# Altium PCB CW521_BallisticGel.PcbDoc (part 1 of 3)
Units mil, origin at the board's own origin, x right, y up, seen from the top; angles counter-clockwise.
Board outline 4645.67 x 3070.87 mil, 2 copper layers (Top Layer, Bottom Layer), stack 59.8 mil thick; 102 components, 83 nets, 501 pads, 442 vias.
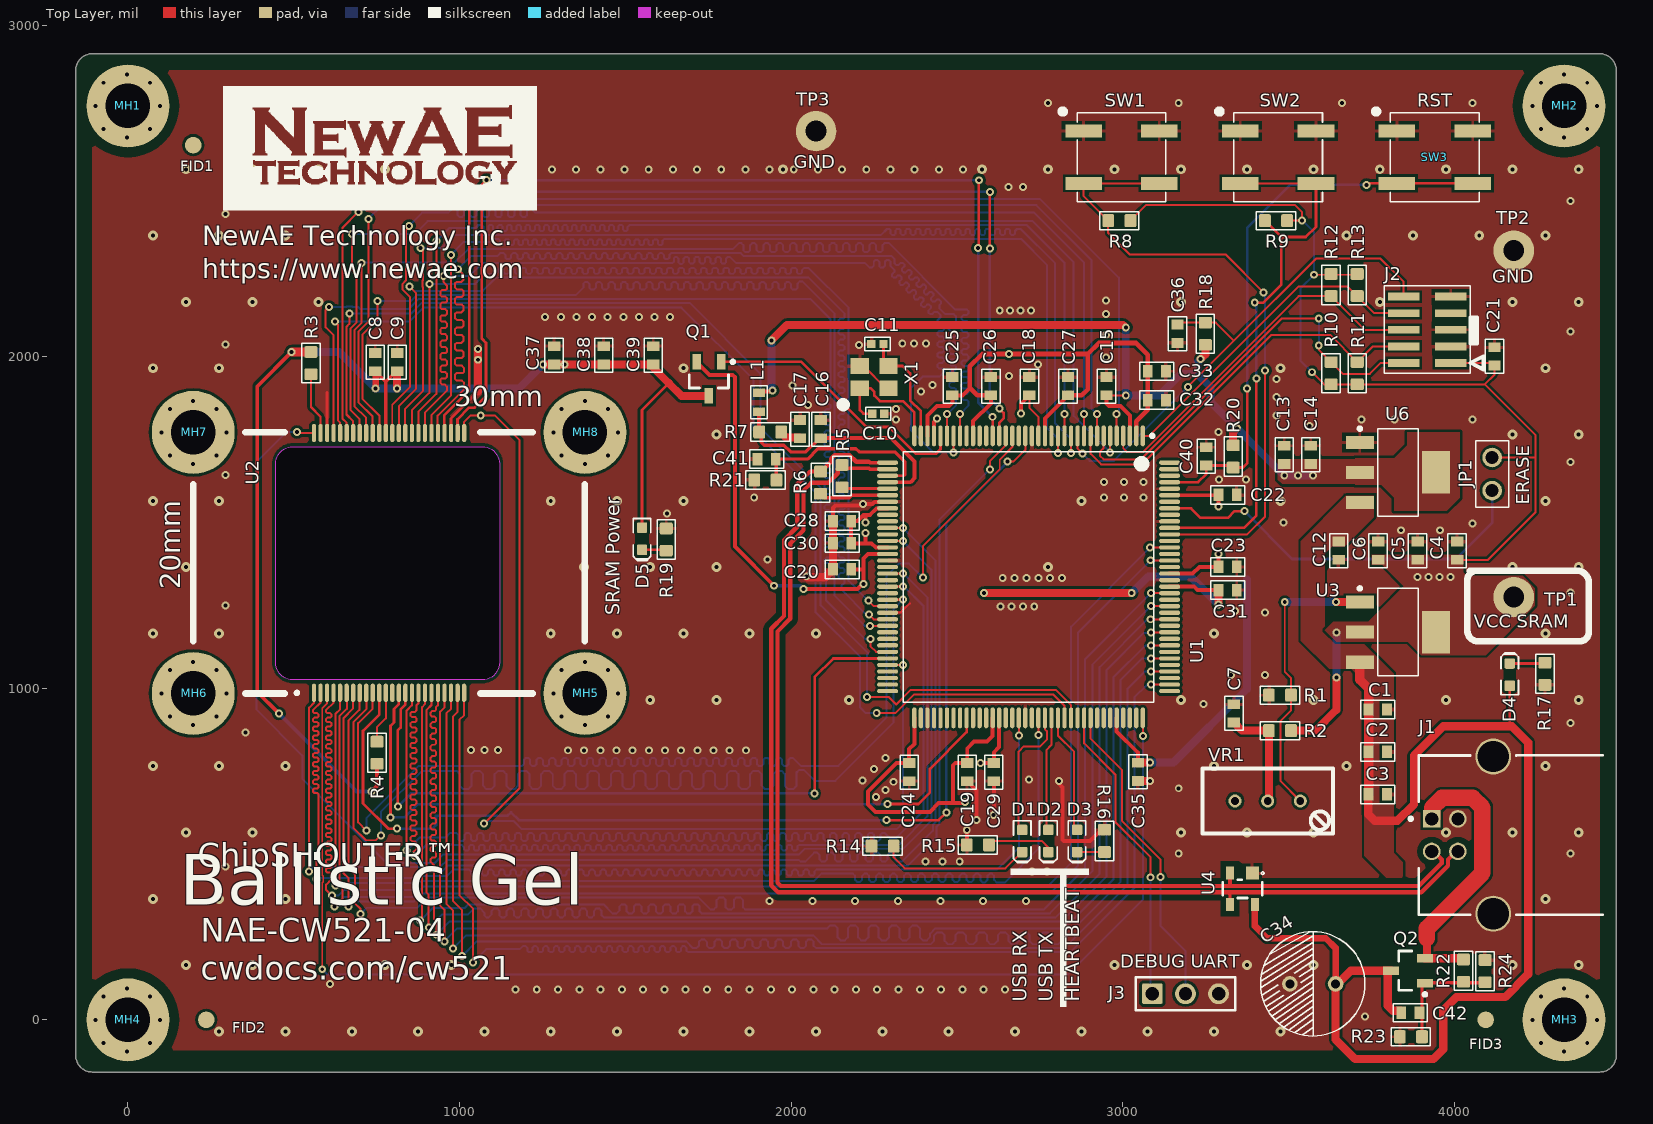
[diagram p0: Top Layer view]
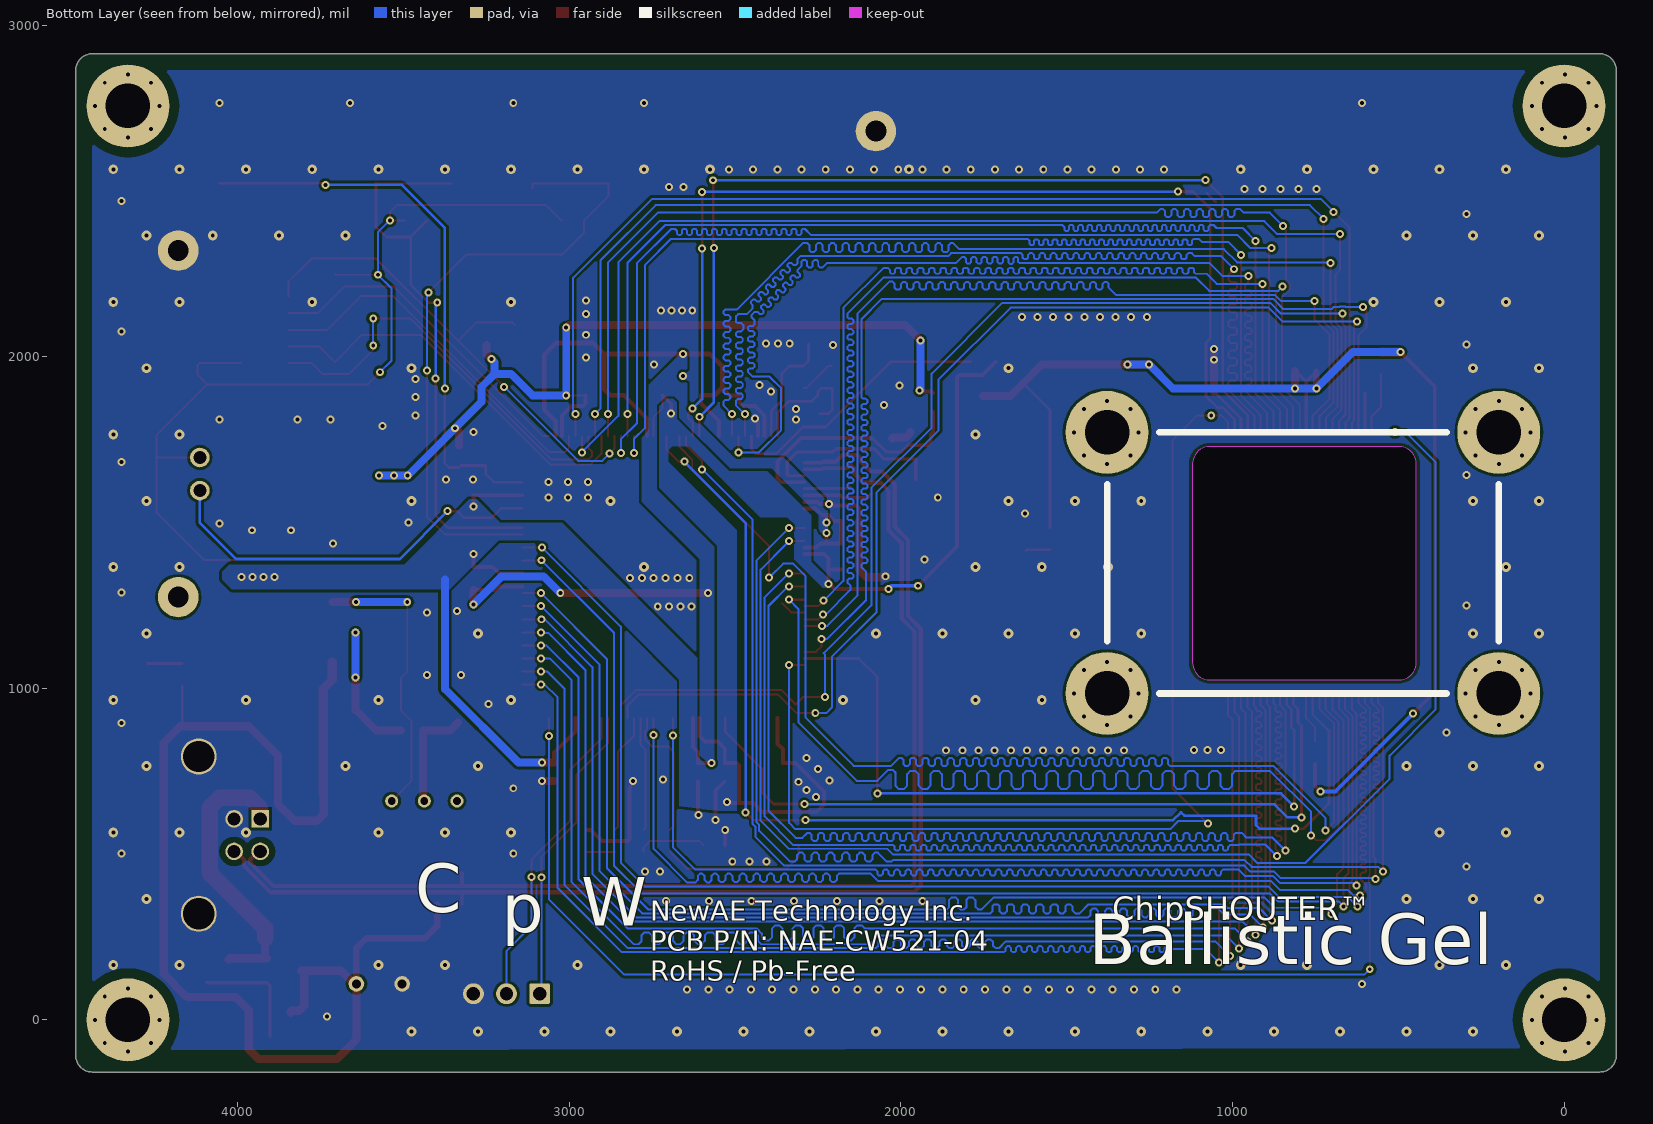
[diagram p1: Bottom Layer view, seen from below]
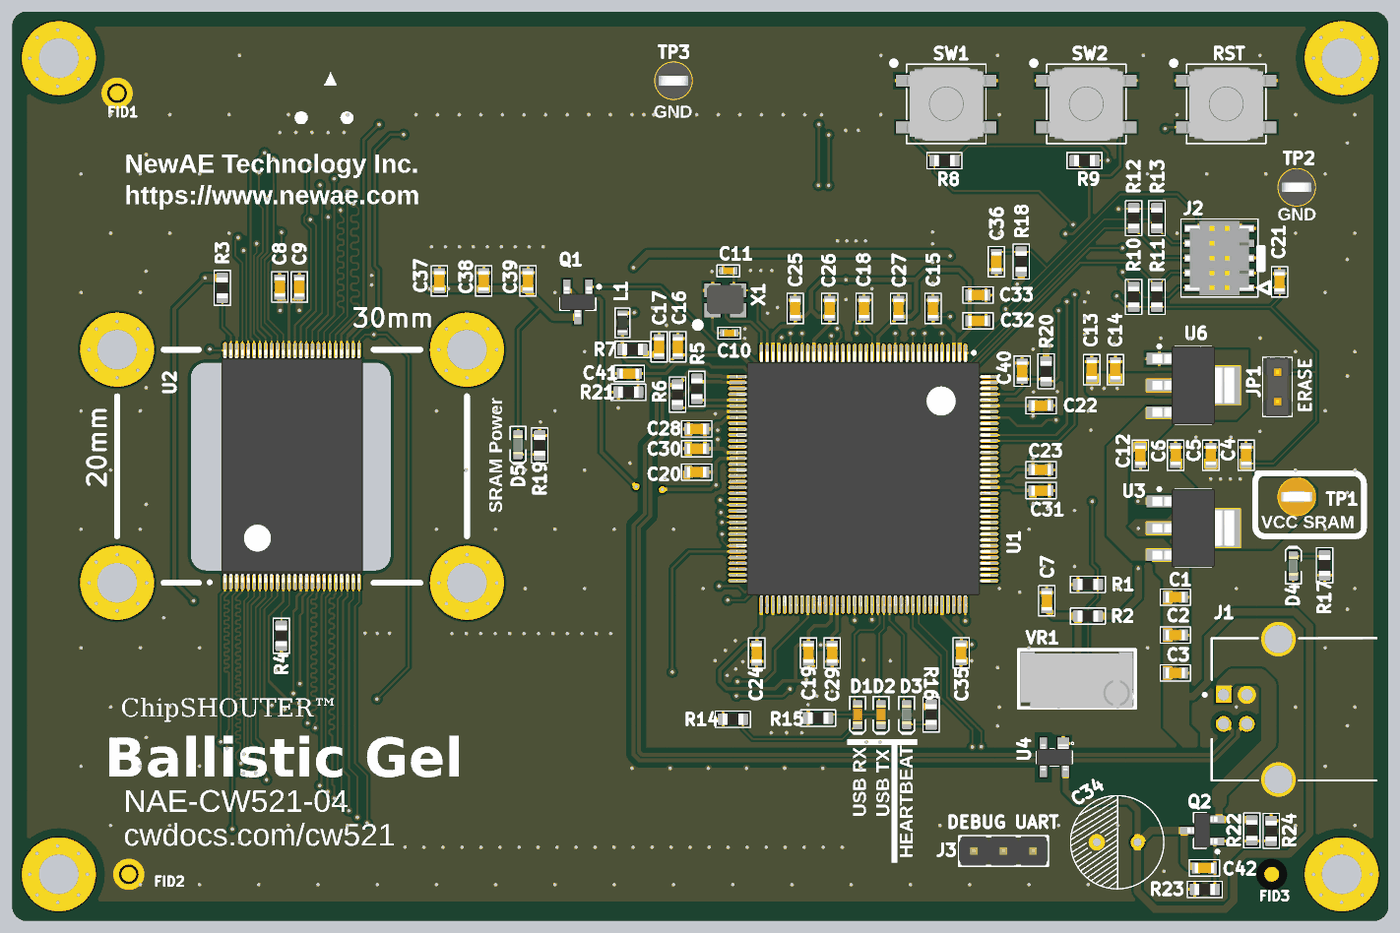
[diagram p4: 3D render of the assembled board from above, using the file's embedded part models]

## Layer stack, top to bottom
Top Solder: solder mask 0.4, Solder Resist, Dk 3.5
Top Layer: signal copper 1.4
Dielectric 1: dielectric 57, FR-4, Dk 4.2
Bottom Layer: signal copper 1.4
Bottom Solder: solder mask 0.4, Solder Resist, Dk 3.5

## Board outline
-157.48,-107.48 -157.48,2863.39 cw(c-107.48,2863.39) -107.48,2913.39 4438.19,2913.39 cw(c4438.19,2863.39) 4488.19,2863.39 4488.19,-107.48 cw(c4438.19,-107.48) 4438.19,-157.48 -107.48,-157.48 cw(c-107.48,-107.48)
cut-out: 445.53,1077.58 445.53,1676.58 cw(c497.51,1676.58) 497.51,1728.57 1068.51,1728.57 cw(c1068.51,1676.58) 1120.5,1676.58 1120.5,1077.58 cw(c1068.51,1077.58) 1068.51,1025.6 497.51,1025.6 cw(c497.51,1077.58)

## Design rules (kind name [scope] priority, off if disabled: settings)
BoardOutlineClearance BoardOutlineClearance_Copper [(IsPoly AND OnLayer('Top Layer'))] p1: gap=50 ignorepadtopadclearanceinfootprint=FALSE
BoardOutlineClearance BoardOutlineClearance_Copper_1 [(IsPoly AND OnLayer('Bottom Layer'))] p2: gap=50 ignorepadtopadclearanceinfootprint=FALSE
BoardOutlineClearance [All] p3: gap=10 ignorepadtopadclearanceinfootprint=FALSE
Clearance PolyDiffUSB [InNet('USBD_N') or InNet('USBD_P') vs IsRegion] p1: gap=17.72 ignorepadtopadclearanceinfootprint=FALSE
Clearance Pad-Pad [IsPad vs IsPad] p2: gap=6 ignorepadtopadclearanceinfootprint=FALSE
Clearance Poly_clear_MH [IsRegion vs (InComponent('MH1') OR InComponent('MH2') OR InComponent('MH3') OR InComponent('MH4'))] p3: gap=30 ignorepadtopadclearanceinfootprint=FALSE
Clearance Poly_clear [IsRegion] p4: gap=8 ignorepadtopadclearanceinfootprint=FALSE
Clearance Clearance_DATA_Bus [InNetClass('D[0..15]')] p5: gap=6 ignorepadtopadclearanceinfootprint=FALSE
Clearance Clearance_ADDR_Bus [InNetClass('A[1..19]') vs InNetClass('A[1..19]')] p6: gap=6 ignorepadtopadclearanceinfootprint=FALSE
Clearance [All] p7: gap=6 ignorepadtopadclearanceinfootprint=FALSE
DiffPairsRouting [All] p1: maxlimit=10 minlimit=6 mostfreqgap=6 toplayer_minwidth=6 toplayer_maxwidth=14 toplayer_prefwidth=13 bottomlayer_minwidth=6 bottomlayer_maxwidth=14 bottomlayer_prefwidth=13 maxuncoupledlength=500
HoleSize [All] p1: absolutevalues=TRUE maxlimit=134 minlimit=1 maxpercent=80.000 minpercent=20.000
PlaneConnect Direct_Connect [IsVia] p1: planeconnectstyle=Direct reliefexpansion=20 reliefentries=4 reliefconductorwidth=10 reliefairgap=10
PlaneConnect [All] p2: planeconnectstyle=Relief reliefexpansion=20 reliefentries=4 reliefconductorwidth=10 reliefairgap=10
PolygonConnect GND_via [InNet('GND') vs isVia] p1: connectstyle=Direct reliefconductorwidth=10 reliefentries=4 polygonreliefangle="90 Angle" airgapwidth=10
PolygonConnect PolygonConnect_1 [InNet('GND')] p2: thpad.connectstyle=Direct thpad.reliefconductorwidth=10 thpad.reliefentries=4 thpad.polygonreliefangle="90 Angle" thpad.airgapwidth=10 smdpad.connectstyle=Relief smdpad.reliefconductorwidth=10 smdpad.reliefentries=4 smdpad.polygonreliefangle="90 Angle" smdpad.airgapwidth=10 via.connectstyle=Relief via.reliefconductorwidth=10 via.reliefentries=4 via.polygonreliefangle="90 Angle" via.airgapwidth=10
PolygonConnect [All] p3: connectstyle=Direct reliefconductorwidth=10 reliefentries=4 polygonreliefangle="90 Angle" airgapwidth=10
RoutingVias [All] p1: holewidth=28 width=50 viastyle="Through Hole" minholewidth=28 minwidth=50 maxholewidth=28 maxwidth=50 useviatemplates=TRUE viatemplateguid#1={D6072983-D2D1-4255-AFD5-E08A8928E303} viatemplateguid#2={B93E24F9-0DDA-4A46-80E5-207EC43B747C} viatemplateguid#3={4627871A-C7EE-498C-9E10-9D91FD267212} viatemplatename#1=v61h30m0mx0 viatemplatename#2=v86h41m0mx0 viatemplatename#3=v127h71m0mx0
ShortCircuit MH_AllowShorts [HasFootprint('M5_MOUNTING_HOLE') vs HasFootprint('M5_MOUNTING_HOLE')] p1: allowed=TRUE
ShortCircuit [All] p2: allowed=FALSE
SilkToSilkClearance [All] p1: silktosilkclearance=2
SilkToSolderMaskClearance [IsPad] p1: minsilkscreentomaskgap=0 clearancetoexposedcopper=TRUE
SolderMaskExpansion [All] p1: expansion=4 istentingtop=FALSE
Width Width_USB [InNet('USBD_N') or InNet('USB_P')] p1: maxlimit=10 minlimit=10 preferedwidth=10
Width Width_ADDR_Bus [InNetClass('A[1..19]')] p2: maxlimit=6 minlimit=6 preferedwidth=6
Width Width_DATA_Bus [InNetClass('D[0..15]')] p3: maxlimit=6 minlimit=6 preferedwidth=6
Width [All] p4: maxlimit=50 minlimit=6 preferedwidth=8
24 further rules are at their usual default settings.

## Classes and differential pairs
component class CW521_BallisticGel_Connectors: C1 C2 C3 C4 C5 C6 C7 C12 C13 C14 C15 C18 C19 C20 C21 C22 C23 C24 C25 C26 C27 C28 C29 C30 C31 C32 C33 C34 C35 C40 C42 D4 D5 FID1 FID2 FID3 J1 J2 J3 JP1 MH1 MH2 MH3 MH4 MH5 MH6 MH7 MH8 Q2 R1 R2 R8 R9 R10 R11 R12 R13 R17 R19 R20 R22 R23 R24 RST SW1 SW2 SW3 TP1 TP2 TP3 U3 U4 U6 VR1
component class CW521_BallisticGel_Main: C8 C9 C10 C11 C16 C17 C36 C37 C38 C39 C41 D1 D2 D3 L1 Q1 R3 R4 R5 R6 R7 R14 R15 R16 R18 R21 U1 U2 X1
net class A[1..21]: A1 A2 A3 A4 A5 A6 A7 A8 A9 A10 A11 A12 A13 A14 A15 A16 A17 A18 A19 A20 A21
net class D[0..15]: D0 D1 D2 D3 D4 D5 D6 D7 D8 D9 D10 D11 D12 D13 D14 D15
differential pair USBD: +USBD_P -USBD_N

## Components (designator, comment, footprint, x,y, rotation, side; value= is the part's Value field where it differs from the comment)
C1 "2u2" CAPC0603_M 3769.02,935.91 r0 top
C2 "2u2" CAPC0603_M 3769.02,807.91 r0 top
C3 "2u2" CAPC0603_M 3769.02,679.91 r0 top
C4 "2u2" CAPC0603_M 4008.13,1414.91 r90 top
C5 "2u2" CAPC0603_M 3889.1,1414.91 r90 top
C6 "100n" CAPC0603_M 3770.06,1414.91 r90 top
C7 "2u2" CAPC0603_M 3335.02,923.91 r90 top
C8 "100n" CAPC0603_M 745.91,1983.54 r90 top
C9 "2u2" CAPC0603_M 811.91,1983.54 r90 top
C10 "18p" CAPC0402_M 2263.02,1827.91 r0 top
C11 "18p" CAPC0402_M 2260.13,2037.91 r180 top
C12 "100n" CAPC0603_M 3651.02,1414.91 r270 top
C13 "2u2" CAPC0603_M 3487.02,1703.91 r90 top
C14 "2u2" CAPC0603_M 3567.02,1703.91 r90 top
C15 "100n" CAPC0603_M 2951.02,1910.91 r90 top
C16 "100n" CAPC0603_M 2089.73,1781.59 r90 top
C17 "2u2" CAPC0603_M 2026.71,1781.22 r90 top
C18 "100n" CAPC0603_M 2718.52,1910.91 r90 top
C19 "100n" CAPC0603_M 2531.02,746.91 r270 top
C20 "100n" CAPC0603_M 2153.54,1358.27 r180 top
C21 "100n" CAPC0603_M 4121.02,2000.91 r90 top
C22 "100n" CAPC0603_M 3316.02,1582.91 r0 top
C23 "100n" CAPC0603_M 3316.02,1365.91 r0 top
C24 "100n" CAPC0603_M 2356.02,746.91 r270 top
C25 "100n" CAPC0603_M 2486.02,1910.91 r90 top
C26 "100n" CAPC0603_M 2602.27,1910.91 r90 top
C27 "100n" CAPC0603_M 2834.77,1910.91 r90 top
C28 "100n" CAPC0603_M 2153.54,1503.94 r180 top
C29 "100n" CAPC0603_M 2611.02,746.91 r270 top
C30 "100n" CAPC0603_M 2153.54,1437.01 r180 top
C31 "100n" CAPC0603_M 3316.02,1295.91 r0 top
C32 "100n" CAPC0603_M 3103.02,1868.91 r0 top
C33 "2u2" CAPC0603_M 3103.02,1955.91 r0 top
C34 "680uF" Cap_16v_680uF 3641.73,108.27 r180 top
C35 "100n" CAPC0603_M 3046.02,747.91 r270 top
C36 "100n" CAPC0603_M 3165,2069 r270 top
C37 "2u2" CAPC0603_M 1285,2004 r90 top
C38 "2u2" CAPC0603_M 1434.5,2004 r90 top
C39 "2u2" CAPC0603_M 1584,2004 r90 top
C40 "100n" CAPC0603_M 3252,1699 r90 top
C41 "10p" CAPC0603_M 1925.9,1691.06 r180 top
C42 "100n" CAPC0603_M 3867.36,21.47 r0 top
D1 "LED, 0603, Red" LED-0603-RED 2696.85,539.37 r270 top
D2 "LED, 0603, Red" LED-0603-RED 2775.59,539.37 r270 top
D3 "LED, 0603, Green" LED-0603-GREEN 2862.2,539.37 r270 top
D4 "LED, 0603, Green" LED-0603-GREEN 4167,1041 r90 top
D5 "LED, 0603, Green" LED-0603-GREEN 1550.24,1450.74 r270 top
FID1 "FIDU-ROUND-1.0MM" FIDU-ROUND-1.0mm 196.85,2637.8 r90 top
FID2 "FIDU-ROUND-1.0MM" FIDU-ROUND-1.0mm 236.22,0 r90 top
FID3 "FIDU-ROUND-1.0MM" FIDU-ROUND-1.0mm 4094.49,0 r90 top
J1 "61729-0010BLF" FCI-61729-0010BLF-6_V 4207.02,556.91 r90 top
J2 "10 Pin Cortex Program & Debug" 0.5MM_SMD_HEADER_5X2 3989.02,1980.91 r180 top
J3 "Straight Header Pins" 1x3_Straight_pins 3188.98,78.74 r90 top
JP1 "Jumper" 2x2.54mm_Header 4114.02,1695.91 r270 top
L1 "10uH" IND_0603 1902.65,1862.02 r270 top
MH1 "M5 MH" M5_MOUNTING_HOLE#1 -3.43,2755.91 r0 top
MH2 "M5 MH" M5_MOUNTING_HOLE#2 4330.71,2755.91 r0 top
MH3 "M5 MH" M5_MOUNTING_HOLE#2 4330.71,0 r0 top
MH4 "M5 MH" M5_MOUNTING_HOLE#1 -3.43,0 r0 top
MH5 "M5 MH" M5_MOUNTING_HOLE#2 1377.95,984.25 r0 top
MH6 "M5 MH" M5_MOUNTING_HOLE#2 196.85,984.25 r0 top
MH7 "M5 MH" M5_MOUNTING_HOLE#2 196.85,1771.65 r0 top
MH8 "M5 MH" M5_MOUNTING_HOLE#2 1377.95,1771.65 r0 top
Q1 "DMP2123LQ-7" SOT95P245X110-3M 1752,1933 r270 top
Q2 "DMP2123LQ-7" SOT95P245X110-3M 3860.06,148.39 r180 top
R1 "160R" RESC1608X55N 3474.02,978.91 r180 top
R2 "100R" RESC1608X55N 3474.02,871.91 r180 top
R3 "1k" RESC1608X55N 551.91,1980.54 r270 top
R4 "1k" RESC1608X55N 750.91,805.54 r90 top
R5 "39R" RESC1608X55N 2153.54,1639.76 r90 top
R6 "39R" RESC1608X55N 2088.58,1620.08 r90 top
R7 "1R0" RESC1608X55N 1936.81,1772.5 r0 top
R8 "10k" RESC1608X55N 2989.63,2409.91 r180 top
R9 "10k" RESC1608X55N 3462.13,2409.91 r180 top
R10 "100k" RESC1608X55N 3628.36,1949.91 r90 top
R11 "100k" RESC1608X55N 3707.02,1949.91 r90 top
R12 "100k" RESC1608X55N 3628.36,2215.91 r270 top
R13 "100k" RESC1608X55N 3707.02,2215.91 r270 top
R14 "220R" RESC1608X55N 2275.59,523.62 r180 top
R15 "220R" RESC1608X55N 2562.99,527.56 r180 top
R16 "220R" RESC1608X55N 2944.88,539.37 r90 top
R17 "330R" RESC1608X55N 4273,1043.46 r270 top
R18 "10k" RESC1608X55N 3249,2069 r90 top
R19 "220R" RESC1608X55N 1623.24,1448.28 r90 top
R20 "10k" RESC1608X55N 3333,1699 r270 top
R21 "6k8" RESC1608X55N 1922.42,1627.85 r180 top
R22 "100k" RESC1608X55N 4027.38,148.39 r270 top
R23 "10k" RESC1608X55N 3868.86,-51 r180 top
R24 "10k" RESC1608X55N 4092.7,146.89 r90 top
SW1 "KSC741J LFS" CK_KSC7J 2996.02,2601.36 r0 top
SW2 "KSC741J LFS" CK_KSC7J 3468.52,2601.36 r0 top
SW3 "KSC741J LFS" CK_KSC7J 3941.02,2601.36 r0 top
TP1 "5008" KEYSTONE5008 4179.02,1274.91 r0 top
TP2 "5011" KEYSTONE5011 4179.02,2319.91 r180 top
TP3 "5011" KEYSTONE5011 2075.02,2679.91 r0 top
U1 "SAM3U4E" LQFP-144_0.5 2716.02,1335.91 r270 top
U2 "AS6C3216A-55TIN" TSSOP-48_0.5 787.4,1377.95 r90 top
U3 "LD1117" SOT-223 3830.02,1168.91 r0 top
U4 "PRTR5V0U2AX" SOT143B 3361.02,394.91 r270 top
U6 "LD1117-3.3" SOT-223 3830.02,1650.91 r0 top
VR1 "200R Pot" POT_TH_UPRIGHT_3LEAD 3437.02,659.91 r90 top
X1 "12MHz Crystal" ABM8G 2207.02,1904.98 r0 top

## Footprints (in the part's own frame and the unit in brackets; to place one, negate y for a bottom-side part, rotate by r counter-clockwise, add the part's x,y. Pads: shape width x height; smd on the part's side, far side on the other; paste and mask are expansions set on the pad)
0.5MM_SMD_HEADER_5X2 [mm]
  rect 2.4x0.6 smd: 1(0,0) 2(3.6,0) 3(0,-1.27) 4(3.6,-1.27) 5(0,-2.54) 6(3.6,-2.54) 7(0,-3.81) 8(3.6,-3.81) 9(0,-5.08) 10(3.6,-5.08)
  silkscreen extent -2.5,-5.9 5.1,0.8, body extent -1.12,-5.71 4.72,0.64, height 6.11
1x3_Straight_pins [mm]
  rrect20% 1.6x1.6 hole 1.02: 1(0,2.54)
  round 1.6 hole 1.02: 2(0,0) 3(0,-2.54)
  silkscreen extent -1.27,-3.81 1.27,3.81, body extent -1.27,-3.81 1.27,3.81, height 8.57
2x2.54mm_Header [mm]
  round 1.5 hole 1: 1(0,0) 2(2.54,0)
  silkscreen extent -1.27,-1.27 3.81,1.27, body extent -1.27,-1.27 3.81,1.27, height 9.5
ABM8G [mm]
  rect 1.4x1.2 smd: 1(0,0) 2(2.2,0) 3(2.2,1.7) 4(0,1.7)
  silkscreen extent -1.52,-1.52 -1.02,-1.02, body extent -0.51,-0.33 2.69,2.16, height 0.99
Cap_16v_680uF [mm]
  round 1.2 hole 0.7: 1(0,0) 2(3.5,0)
  silkscreen extent -2.25,-4 5.75,4, body extent -2.27,-4 5.73,4, height 16
CAPC0402_M [mm] "Chip Capacitor, 2-Leads, Body 0402, IPC Medium Density"
  rect 0.64x0.64 smd mask+0.06: 1(-0.46,0) 2(0.46,0)
  silkscreen extent -0.97,-0.51 0.97,0.51, body extent -0.55,-0.3 0.55,0.3, height 0.6
CAPC0603_M [mm]
  rect 0.75x0.95 smd: 1(-0.7,0) 2(0.7,0)
  silkscreen extent -1.3,-0.7 1.3,0.7, body extent -0.85,-0.45 0.85,0.45, height 0.9
CK_KSC7J [mm] "Switch, Tactile; 4 pin, 6.80 mm L X 6.80 mm W X 4.3mm"
  rect 2.8x1 smd: 1(-2.9,2) 2(-2.9,-2) 3(2.9,-2) 4(2.9,2)
  silkscreen extent -4.7,-3.4 3.4,3.7, body extent -3.4,-3.15 3.4,3.15, height 4.29
FCI-61729-0010BLF-6_V [mm] "Through Hole, 6-Leads, Body 12.2x16mm"
  rect 1.35x1.35 hole 1: 1(1.254,6.99)
  round 1.35 hole 1: 2(-1.246,6.99) 3(-1.246,4.99) 4(1.254,4.99)
  round 2.75 hole 2.4: MH1(-6.016,2.28) MH2(6.024,2.28)
  silkscreen extent -6.1,-6.12 6.12,8.72, body extent -7.17,-8 7.17,8, height 11.14
FIDU-ROUND-1.0mm [mil]
  round 50 smd paste-78.74 mask+27.56: M1(0,0)
IND_0603 [mm] "Chip Inductor, 2-Leads, Body 1.60x0.80mm, IPC Medium Density"
  rect 0.64x0.92 smd: 1(-0.73,0) 2(0.73,0)
  silkscreen extent -1.27,-0.64 1.27,0.64, body extent -0.82,-0.43 0.82,0.43, height 0.9
KEYSTONE5008 [mm] "TEST POINT PC MULTI PURPOSE ORG"
  round 3.1 hole 1.6: 1(0,0)
  body extent -1.59,-1.59 1.59,1.59, height 5.47
KEYSTONE5011 [mm] "TEST POINT PC MULTI PURPOSE BLK"
  round 3.1 hole 1.6: 1(0,0)
  body extent -1.59,-1.59 1.59,1.59, height 8.13
LED-0603-GREEN [mm]
  round 0.254 on Mech15: 0(0,0)
  rrect25% 0.8x0.8 smd: A(-0.85,0) K(0.85,0)
  Top Layer pour cut-out: -0.5,0.5 0.5,0.5 0.5,-0.5 -0.5,-0.5
  silkscreen extent -1.55,-0.67 1.68,0.67, body extent -0.8,-0.4 0.8,0.4, height 0.75
LED-0603-RED [mm]
  round 0.254 on Mech15: 0(0,0)
  rrect25% 0.8x0.8 smd: A(-0.85,0) K(0.85,0)
  Top Layer pour cut-out: -0.5,0.5 0.5,0.5 0.5,-0.5 -0.5,-0.5
  silkscreen extent -1.55,-0.67 1.68,0.67, body extent -0.8,-0.4 0.8,0.4, height 0.75
LQFP-144_0.5 [mm] "LQFP, 144-Leads, Body 20.00x20.00mm, Pitch 0.50mm, IPC Low Density"
  oval 1.6x0.33 smd paste-0.064: 1(-10.8,8.75) 2(-10.8,8.25) 3(-10.8,7.75) 4(-10.8,7.25) 5(-10.8,6.75) 6(-10.8,6.25) 7(-10.8,5.75) 8(-10.8,5.25) 9(-10.8,4.75) 10(-10.8,4.25) 11(-10.8,3.75) 12(-10.8,3.25) 13(-10.8,2.75) 14(-10.8,2.25) 15(-10.8,1.75) 16(-10.8,1.25) 17(-10.8,0.75) 18(-10.8,0.25) 19(-10.8,-0.25) 20(-10.8,-0.75) 21(-10.8,-1.25) 22(-10.8,-1.75) 23(-10.8,-2.25) 24(-10.8,-2.75) 25(-10.8,-3.25) 26(-10.8,-3.75) 27(-10.8,-4.25) 28(-10.8,-4.75) 29(-10.8,-5.25) 30(-10.8,-5.75) 31(-10.8,-6.25) 32(-10.8,-6.75) 33(-10.8,-7.25) 34(-10.8,-7.75) 35(-10.8,-8.25) 36(-10.8,-8.75) 73(10.8,-8.75) 74(10.8,-8.25) 75(10.8,-7.75) 76(10.8,-7.25) 77(10.8,-6.75) 78(10.8,-6.25) 79(10.8,-5.75) 80(10.8,-5.25) 81(10.8,-4.75) 82(10.8,-4.25) 83(10.8,-3.75) 84(10.8,-3.25) 85(10.8,-2.75) 86(10.8,-2.25) 87(10.8,-1.75) 88(10.8,-1.25) 89(10.8,-0.75) 90(10.8,-0.25) 91(10.8,0.25) 92(10.8,0.75) 93(10.8,1.25) 94(10.8,1.75) 95(10.8,2.25) 96(10.8,2.75) 97(10.8,3.25) 98(10.8,3.75) 99(10.8,4.25) 100(10.8,4.75) 101(10.8,5.25) 102(10.8,5.75) 103(10.8,6.25) 104(10.8,6.75) 105(10.8,7.25) 106(10.8,7.75) 107(10.8,8.25) 108(10.8,8.75)
  oval 0.33x1.6 smd paste-0.064: 37(-8.75,-10.8) 38(-8.25,-10.8) 39(-7.75,-10.8) 40(-7.25,-10.8) 41(-6.75,-10.8) 42(-6.25,-10.8) 43(-5.75,-10.8) 44(-5.25,-10.8) 45(-4.75,-10.8) 46(-4.25,-10.8) 47(-3.75,-10.8) 48(-3.25,-10.8) 49(-2.75,-10.8) 50(-2.25,-10.8) 51(-1.75,-10.8) 52(-1.25,-10.8) 53(-0.75,-10.8) 54(-0.25,-10.8) 55(0.25,-10.8) 56(0.75,-10.8) 57(1.25,-10.8) 58(1.75,-10.8) 59(2.25,-10.8) 60(2.75,-10.8) 61(3.25,-10.8) 62(3.75,-10.8) 63(4.25,-10.8) 64(4.75,-10.8) 65(5.25,-10.8) 66(5.75,-10.8) 67(6.25,-10.8) 68(6.75,-10.8) 69(7.25,-10.8) 70(7.75,-10.8) 71(8.25,-10.8) 72(8.75,-10.8) 109(8.75,10.8) 110(8.25,10.8) 111(7.75,10.8) 112(7.25,10.8) 113(6.75,10.8) 114(6.25,10.8) 115(5.75,10.8) 116(5.25,10.8) 117(4.75,10.8) 118(4.25,10.8) 119(3.75,10.8) 120(3.25,10.8) 121(2.75,10.8) 122(2.25,10.8) 123(1.75,10.8) 124(1.25,10.8) 125(0.75,10.8) 126(0.25,10.8) 127(-0.25,10.8) 128(-0.75,10.8) 129(-1.25,10.8) 130(-1.75,10.8) 131(-2.25,10.8) 132(-2.75,10.8) 133(-3.25,10.8) 134(-3.75,10.8) 135(-4.25,10.8) 136(-4.75,10.8) 137(-5.25,10.8) 138(-5.75,10.8) 139(-6.25,10.8) 140(-6.75,10.8) 141(-7.25,10.8) 142(-7.75,10.8) 143(-8.25,10.8) 144(-8.75,10.8)
  silkscreen extent -10.92,-9.6 9.6,9.6, body extent -10.9,-10.9 10.9,10.9, height 1.45
M5_MOUNTING_HOLE#1 [mil]
  round 14 hole 12: 1(-95,0) 1(-70,-70) 1(-70,70) 1(0,-95) 1(0,95) 1(70,-70) 1(70,70) 1(100,0)
  round 250 hole 134: 1(3.43,0)
M5_MOUNTING_HOLE#2 [mil]
  round 14 hole 12: 1(-95,0) 1(-70,-70) 1(-70,70) 1(0,-95) 1(0,95) 1(70,-70) 1(70,70) 1(100,0)
  round 250 hole 134: 1(0,0)
POT_TH_UPRIGHT_3LEAD [mm]
  round 1 hole 0.6: 1(0,-2.5) 2(0,0) 3(0,2.5)
  silkscreen extent -2.5,-5 2.5,5, body extent -2.51,-4.8 2.29,4.8, height 10.6
RESC1608X55N [mm] "Chip Resistor, Body 1.6x0.8mm, EIA 0603, IPC Medium Density"
  round 0.254 on Mech15: 0(0,0)
  rrect25% 0.9x1 smd: 1(-0.85,0) 2(0.85,0)
  Top Layer pour cut-out: -0.6,0.5 -0.4,0.7 0.4,0.7 0.6,0.5 0.6,-0.5 0.4,-0.7 -0.4,-0.7 -0.6,-0.5